# KiCad board Logic_tabor.kicad_pcb
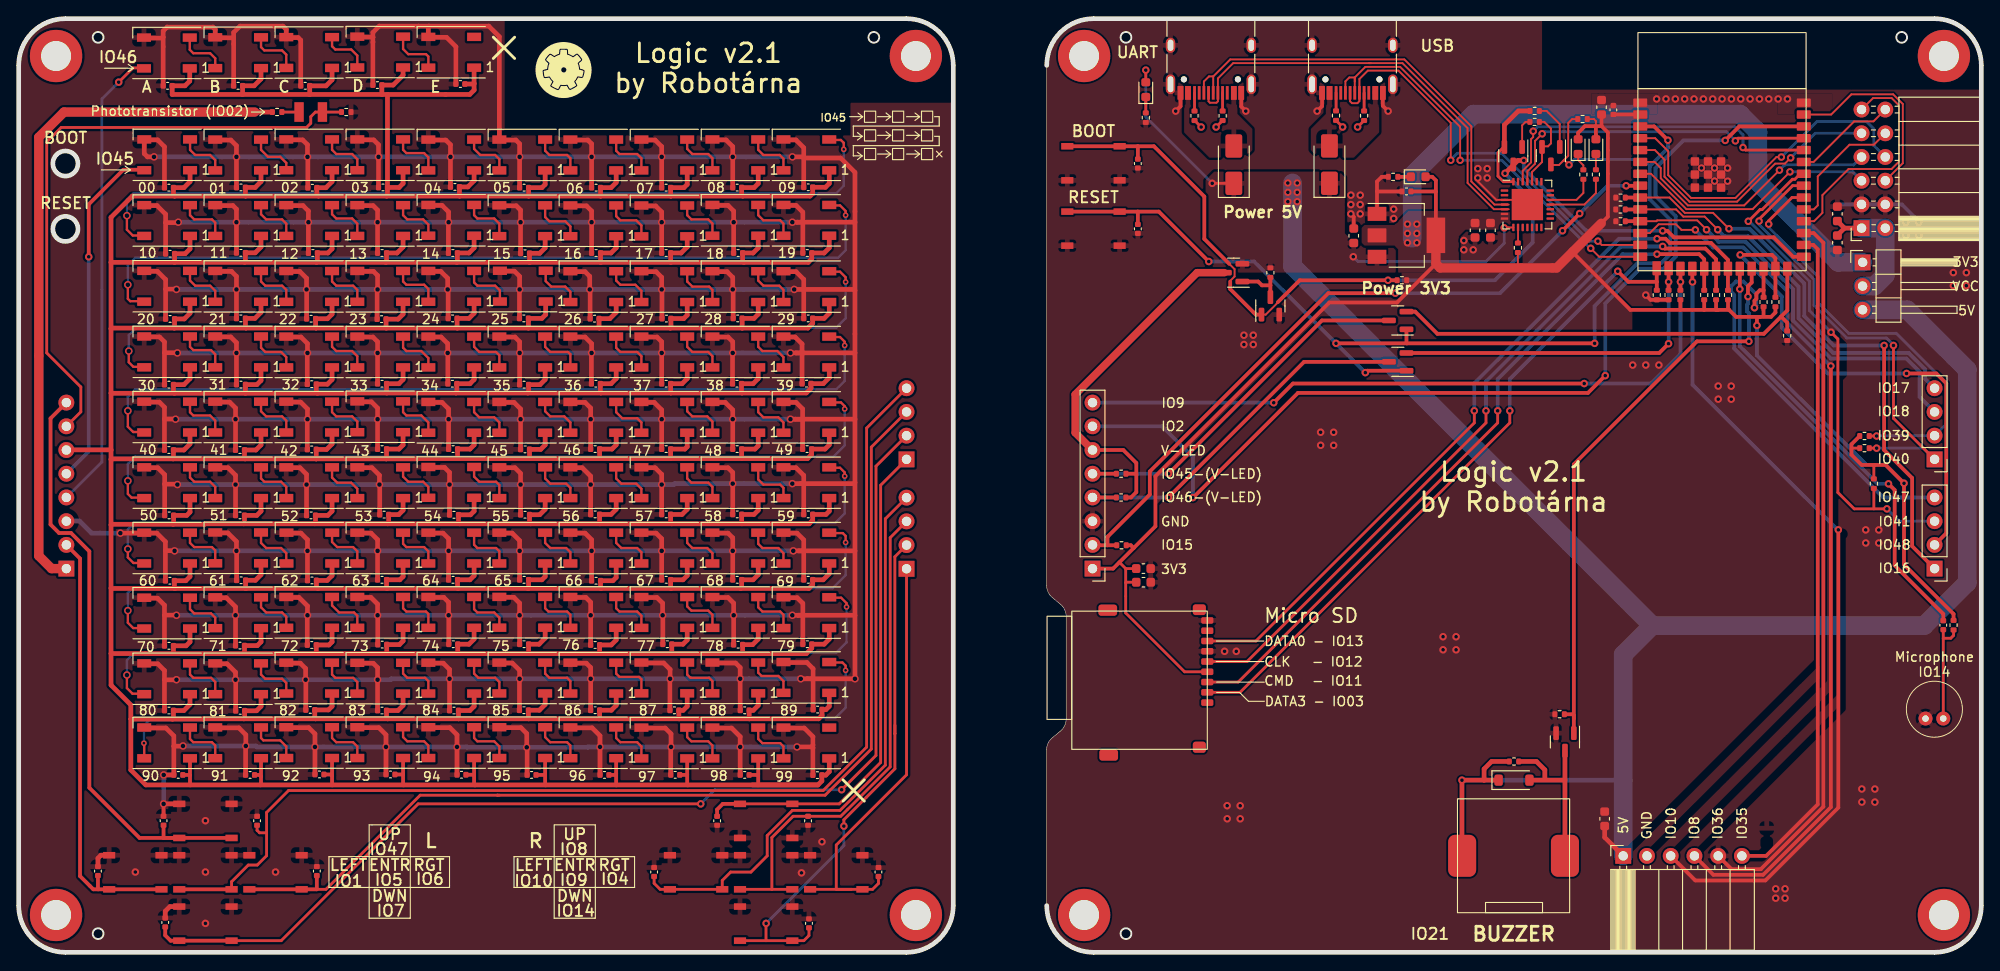
[diagram p0: board, top side]
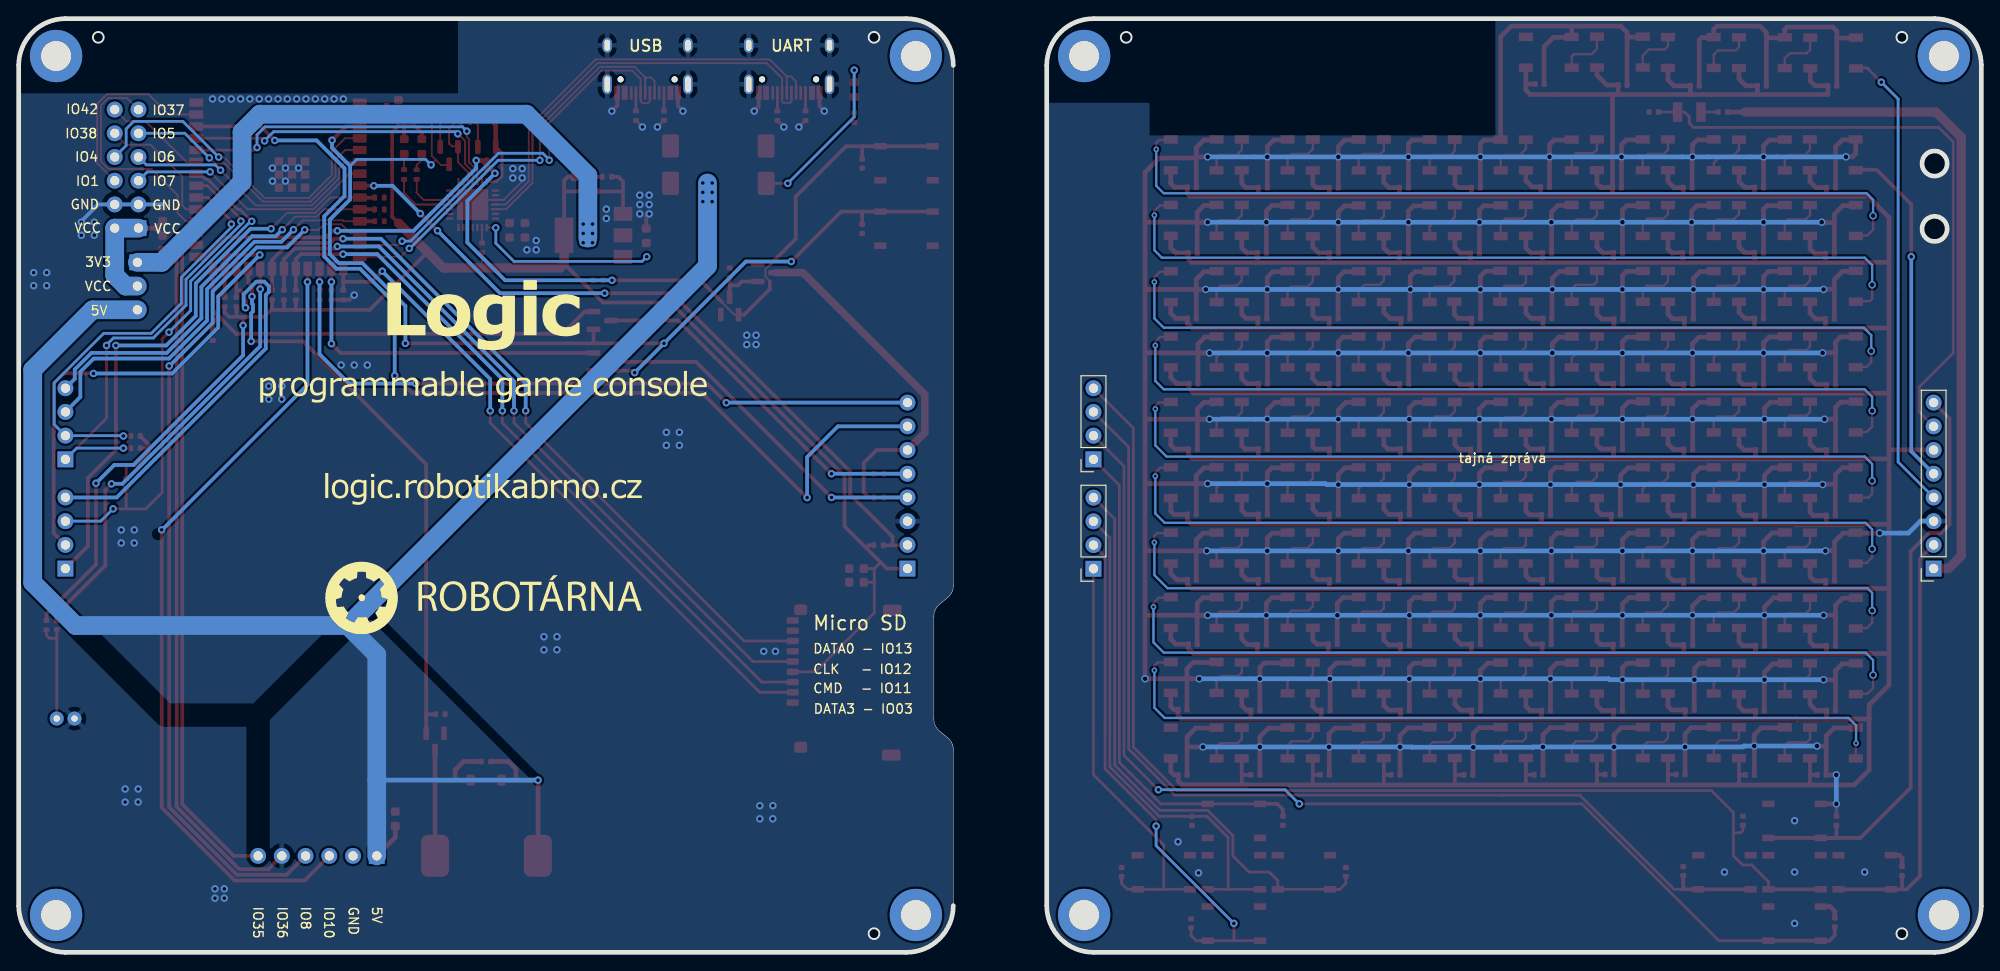
[diagram p1: board, bottom side, seen from below]

Outline 210 x 100 mm; copper layers: Top, Bottom. Coordinates in mm from the lower left corner of the outline.
Outline path: circle c5,84.48 r1.35 ; circle c5,77.48 r1.35 ; circle c8.5,98 r0.58 ; circle c8.5,2 r0.58 ; circle c91.5,98 r0.58 ; circle c118.48,98 r0.58 ; circle c118.48,2 r0.58 ; circle c201.48,98 r0.58 ; 0,95 arc(1.46,98.54) 5,100 95,100 arc(98.54,98.54) 100,95 100,5 arc(98.54,1.46) 95,0 5,0 arc(1.46,1.46) 0,5 0,95 ; 109.99,39.29 110,95 arc(111.46,98.54) 115,100 205,100 arc(208.54,98.54) 210,95 210,5 arc(208.54,1.46) 205,0 115,0 arc(111.46,1.46) 110,5 109.99,21.69 arc(110.15,22.41) 110.61,22.99 111.46,23.69 arc(111.92,24.27) 112.08,24.99 112.08,35.99 arc(111.92,36.71) 111.46,37.29 110.61,37.99 arc(110.15,38.57) 109.99,39.29
Stack: Top 0.035mm / dielectric 1.51mm FR4 er 4.5 / Bottom 0.035mm

## Placement (name value [footprint] x y rotation side)
B1  -  [Board]  84.7 100 0 top
B2  -  [Board]  129.8 100 0 top
BOOT1  button  [Tactile_switch]  115 84.48 0 top
BZ1  Buzzer  [PKLCS1212E-(RH-Logic_piezzo)]  159.95 10.34 0 top
C1  10uF  [C_0603_1608Metric]  194.6 79.1 90 top
C2  100n  [C_0402_1005Metric]  46.68 81.98 180 top
C3  100n  [C_0402_1005Metric]  54.08 81.9 180 top
C4  10uF  [C_0603_1608Metric]  169.7 14.3 90 top
C5  10uF  [C_0603_1608Metric]  194.6 76 270 top
C6  100n  [C_0402_1005Metric]  61.78 81.9 180 top
C7  100n  [C_0402_1005Metric]  15.94 92.81 180 top
C8  100n  [C_0402_1005Metric]  23.48 92.81 180 top
C9  100n  [C_0402_1005Metric]  30.66 92.81 180 top
C10  100n  [C_0402_1005Metric]  38.38 92.89 180 top
C11  10n  [C_0402_1005Metric]  25.51 14.09 270 top
C12  10n  [C_0402_1005Metric]  31.9 8.7 270 top
C13  10n  [C_0402_1005Metric]  67.99 8.6 270 top
C14  10n  [C_0402_1005Metric]  92 8.6 270 top
C15  100n  [C_0402_1005Metric]  69.28 81.9 180 top
C16  100n  [C_0402_1005Metric]  76.88 81.91 180 top
C17  10n  [C_0402_1005Metric]  15.68 3.2 270 top
C18  10n  [C_0402_1005Metric]  84.56 3.1 270 top
C19  10n  [C_0402_1005Metric]  84.46 14.09 90 top
C20  10n  [C_0402_1005Metric]  74.73 14.09 90 top
C21  100n  [C_0402_1005Metric]  84.48 81.94 180 top
C22  10uF  [C_0603_1608Metric]  120.35 39.64 0 top
C23  10uF  [C_0603_1608Metric]  120.35 41.1 0 top
C24  10uF  [C_0603_1608Metric]  157.48 77.34 90 top
C25  100n  [C_0402_1005Metric]  148.49 81.5 0 top
C26  1u  [C_0402_1005Metric]  119.75 77.48 270 top
C27  10uF  [C_0603_1608Metric]  169.37 90.51 270 top
C28  100n  [C_0402_1005Metric]  170.63 90.22 270 top
C29  1u  [C_0402_1005Metric]  119.75 84.48 270 top
C30  10n  [C_0402_1005Metric]  15.5 14.09 270 top
C31  100n  [C_0402_1005Metric]  16.08 81.9 180 top
C32  100n  [C_0402_1005Metric]  23.78 81.92 180 top
C33  100n  [C_0402_1005Metric]  31.42 81.89 180 top
C34  100n  [C_0402_1005Metric]  38.98 81.92 180 top
C35  100n  [C_0402_1005Metric]  16.2 74.82 180 top
C36  100n  [C_0402_1005Metric]  23.78 74.92 180 top
C37  100n  [C_0402_1005Metric]  31.48 74.9 180 top
C38  100n  [C_0402_1005Metric]  38.88 74.9 180 top
C39  100n  [C_0402_1005Metric]  46.46 74.9 180 top
C40  100n  [C_0402_1005Metric]  54.18 74.87 180 top
C41  100n  [C_0402_1005Metric]  61.78 74.9 180 top
C42  100n  [C_0402_1005Metric]  69.28 74.9 180 top
C43  100n  [C_0402_1005Metric]  76.98 74.9 180 top
C44  100n  [C_0402_1005Metric]  84.38 74.9 180 top
C45  100n  [C_0402_1005Metric]  16.2 67.84 180 top
C46  100n  [C_0402_1005Metric]  23.78 67.9 180 top
C47  100n  [C_0402_1005Metric]  31.29 67.86 180 top
C48  100n  [C_0402_1005Metric]  38.83 67.82 180 top
C49  100n  [C_0402_1005Metric]  46.43 67.9 180 top
C50  100n  [C_0402_1005Metric]  54.06 67.9 180 top
C51  100n  [C_0402_1005Metric]  61.62 67.87 180 top
C52  100n  [C_0402_1005Metric]  69.31 67.88 180 top
C53  100n  [C_0402_1005Metric]  76.93 67.9 180 top
C54  100n  [C_0402_1005Metric]  84.48 67.9 180 top
C55  100n  [C_0402_1005Metric]  16.08 60.8 180 top
C56  100n  [C_0402_1005Metric]  23.78 60.81 180 top
C57  100n  [C_0402_1005Metric]  31.36 60.85 180 top
C58  100n  [C_0402_1005Metric]  38.88 60.9 180 top
C59  100n  [C_0402_1005Metric]  46.4 60.9 180 top
C60  100n  [C_0402_1005Metric]  54.08 60.8 180 top
C61  100n  [C_0402_1005Metric]  61.76 60.9 180 top
C62  100n  [C_0402_1005Metric]  69.28 60.9 180 top
C63  100n  [C_0402_1005Metric]  76.86 60.9 180 top
C64  100n  [C_0402_1005Metric]  84.3 60.91 180 top
C65  100n  [C_0402_1005Metric]  16.08 53.8 180 top
C66  100n  [C_0402_1005Metric]  23.68 53.8 180 top
C67  100n  [C_0402_1005Metric]  31.36 53.86 180 top
C68  100n  [C_0402_1005Metric]  38.88 53.9 180 top
C69  100n  [C_0402_1005Metric]  46.48 53.9 180 top
C70  100n  [C_0402_1005Metric]  54.18 53.87 180 top
C71  100n  [C_0402_1005Metric]  61.68 53.9 180 top
C72  100n  [C_0402_1005Metric]  69.28 53.9 180 top
C73  100n  [C_0402_1005Metric]  76.88 53.9 180 top
C74  100n  [C_0402_1005Metric]  84.36 53.9 180 top
C75  100n  [C_0402_1005Metric]  16.1 46.8 180 top
C76  100n  [C_0402_1005Metric]  23.68 46.8 180 top
C77  100n  [C_0402_1005Metric]  31.28 46.8 180 top
C78  100n  [C_0402_1005Metric]  39.11 46.88 180 top
C79  100n  [C_0402_1005Metric]  46.58 46.86 180 top
C80  100n  [C_0402_1005Metric]  54.18 46.87 180 top
C81  100n  [C_0402_1005Metric]  61.68 46.9 180 top
C82  100n  [C_0402_1005Metric]  69.28 46.9 180 top
C83  100n  [C_0402_1005Metric]  76.88 46.9 180 top
C84  100n  [C_0402_1005Metric]  84.48 46.9 180 top
C85  100n  [C_0402_1005Metric]  16.18 39.8 180 top
C86  100n  [C_0402_1005Metric]  23.8 39.85 180 top
C87  100n  [C_0402_1005Metric]  31.38 39.83 180 top
C88  100n  [C_0402_1005Metric]  38.88 39.9 180 top
C89  100n  [C_0402_1005Metric]  46.48 39.9 180 top
C90  100n  [C_0402_1005Metric]  54.08 39.9 180 top
C91  100n  [C_0402_1005Metric]  61.78 39.8 180 top
C92  100n  [C_0402_1005Metric]  69.28 39.9 180 top
C93  100n  [C_0402_1005Metric]  76.88 39.9 180 top
C94  100n  [C_0402_1005Metric]  84.48 39.9 180 top
C95  100n  [C_0402_1005Metric]  16.08 32.83 180 top
C96  100n  [C_0402_1005Metric]  23.68 32.85 180 top
C97  100n  [C_0402_1005Metric]  31.36 32.92 180 top
C98  100n  [C_0402_1005Metric]  38.9 32.96 180 top
C99  100n  [C_0402_1005Metric]  46.5 33 180 top
C100  100n  [C_0402_1005Metric]  54.08 33 180 top
C101  100n  [C_0402_1005Metric]  61.68 32.92 180 top
C102  100n  [C_0402_1005Metric]  69.4 33 180 top
C103  100n  [C_0402_1005Metric]  76.98 32.95 180 top
C104  100n  [C_0402_1005Metric]  84.38 33 180 top
C105  100n  [C_0402_1005Metric]  16.08 25.9 180 top
C106  100n  [C_0402_1005Metric]  23.7 25.87 180 top
C107  100n  [C_0402_1005Metric]  31.2 25.96 180 top
C108  100n  [C_0402_1005Metric]  38.88 25.9 180 top
C109  100n  [C_0402_1005Metric]  46.58 25.9 180 top
C110  100n  [C_0402_1005Metric]  54.06 25.93 180 top
C111  100n  [C_0402_1005Metric]  61.68 25.93 180 top
C112  100n  [C_0402_1005Metric]  70.16 25.92 180 top
C113  100n  [C_0402_1005Metric]  77.68 25.92 180 top
C114  100n  [C_0402_1005Metric]  85.48 26 180 top
C115  100n  [C_0402_1005Metric]  17.08 19 180 top
C116  100n  [C_0402_1005Metric]  24.76 19 180 top
C117  100n  [C_0402_1005Metric]  32.18 19.05 180 top
C118  100n  [C_0402_1005Metric]  39.78 19.05 180 top
C119  100n  [C_0402_1005Metric]  47.38 19.02 180 top
C120  100n  [C_0402_1005Metric]  54.88 19 180 top
C121  100n  [C_0402_1005Metric]  62.68 19 180 top
C122  100n  [C_0402_1005Metric]  70.25 19.01 180 top
C123  100n  [C_0402_1005Metric]  77.68 19 180 top
C124  100n  [C_0402_1005Metric]  85.46 18.98 180 top
C125  100n  [C_0402_1005Metric]  47.26 93 180 top
C126  10n  [C_0402_1005Metric]  8.48 8.7 270 top
C127  10uF  [C_0603_1608Metric]  142.85 76.75 90 top
C128  10uF  [C_0603_1608Metric]  155.83 77.34 270 top
C129  1u  [C_0402_1005Metric]  205.93 35.04 270 top
D1  green  [LED_0603_1608Metric]  120.6 92.4 90 top
D2  green  [LED_0603_1608Metric]  149.75 83.06 0 top
D3  WS2812C  [LED_WS2812B_PLCC4_5.0x5.0mm_P3.2mm]  15.85 96.32 180 top
D4  WS2812C  [LED_WS2812B_PLCC4_5.0x5.0mm_P3.2mm]  23.48 96.35 180 top
D5  WS2812C  [LED_WS2812B_PLCC4_5.0x5.0mm_P3.2mm]  31.08 96.37 180 top
D6  WS2812C  [LED_WS2812B_PLCC4_5.0x5.0mm_P3.2mm]  38.68 96.42 180 top
D7  type="D" model="DIODE" lib=""  [D_SMA]  140.25 84.37 90 top
D8  type="D" model="DIODE" lib=""  [D_SMA]  130.02 84.37 90 top
D9  green  [LED_0603_1608Metric]  168.76 86.3 90 top
D10  green  [LED_0603_1608Metric]  166.86 86.3 90 top
D12  WS2812C  [LED_WS2812B_PLCC4_5.0x5.0mm_P3.2mm]  15.89 85.42 180 top
D13  WS2812C  [LED_WS2812B_PLCC4_5.0x5.0mm_P3.2mm]  23.48 85.4 180 top
D14  WS2812C  [LED_WS2812B_PLCC4_5.0x5.0mm_P3.2mm]  31.08 85.42 180 top
D15  WS2812C  [LED_WS2812B_PLCC4_5.0x5.0mm_P3.2mm]  38.68 85.42 180 top
D16  WS2812C  [LED_WS2812B_PLCC4_5.0x5.0mm_P3.2mm]  46.28 85.4 180 top
D17  WS2812C  [LED_WS2812B_PLCC4_5.0x5.0mm_P3.2mm]  53.88 85.4 180 top
D18  WS2812C  [LED_WS2812B_PLCC4_5.0x5.0mm_P3.2mm]  61.48 85.4 180 top
D19  WS2812C  [LED_WS2812B_PLCC4_5.0x5.0mm_P3.2mm]  69.08 85.4 180 top
D20  WS2812C  [LED_WS2812B_PLCC4_5.0x5.0mm_P3.2mm]  76.68 85.41 180 top
D21  WS2812C  [LED_WS2812B_PLCC4_5.0x5.0mm_P3.2mm]  84.28 85.41 180 top
D22  WS2812C  [LED_WS2812B_PLCC4_5.0x5.0mm_P3.2mm]  15.88 78.38 180 top
D23  WS2812C  [LED_WS2812B_PLCC4_5.0x5.0mm_P3.2mm]  23.48 78.38 180 top
D24  WS2812C  [LED_WS2812B_PLCC4_5.0x5.0mm_P3.2mm]  31.08 78.38 180 top
D25  WS2812C  [LED_WS2812B_PLCC4_5.0x5.0mm_P3.2mm]  38.68 78.38 180 top
D26  WS2812C  [LED_WS2812B_PLCC4_5.0x5.0mm_P3.2mm]  46.28 78.4 180 top
D27  WS2812C  [LED_WS2812B_PLCC4_5.0x5.0mm_P3.2mm]  53.88 78.36 180 top
D28  WS2812C  [LED_WS2812B_PLCC4_5.0x5.0mm_P3.2mm]  61.48 78.35 180 top
D29  WS2812C  [LED_WS2812B_PLCC4_5.0x5.0mm_P3.2mm]  69.08 78.34 180 top
D30  WS2812C  [LED_WS2812B_PLCC4_5.0x5.0mm_P3.2mm]  76.68 78.4 180 top
D31  WS2812C  [LED_WS2812B_PLCC4_5.0x5.0mm_P3.2mm]  84.28 78.4 180 top
D32  WS2812C  [LED_WS2812B_PLCC4_5.0x5.0mm_P3.2mm]  15.88 71.34 180 top
D33  WS2812C  [LED_WS2812B_PLCC4_5.0x5.0mm_P3.2mm]  23.48 71.33 180 top
D34  WS2812C  [LED_WS2812B_PLCC4_5.0x5.0mm_P3.2mm]  31.08 71.32 180 top
D35  WS2812C  [LED_WS2812B_PLCC4_5.0x5.0mm_P3.2mm]  38.68 71.33 180 top
D36  WS2812C  [LED_WS2812B_PLCC4_5.0x5.0mm_P3.2mm]  46.28 71.33 180 top
D37  WS2812C  [LED_WS2812B_PLCC4_5.0x5.0mm_P3.2mm]  53.94 71.35 180 top
D38  WS2812C  [LED_WS2812B_PLCC4_5.0x5.0mm_P3.2mm]  61.48 71.3 180 top
D39  WS2812C  [LED_WS2812B_PLCC4_5.0x5.0mm_P3.2mm]  69.08 71.3 180 top
D40  WS2812C  [LED_WS2812B_PLCC4_5.0x5.0mm_P3.2mm]  76.68 71.3 180 top
D41  WS2812C  [LED_WS2812B_PLCC4_5.0x5.0mm_P3.2mm]  84.28 71.3 180 top
D42  WS2812C  [LED_WS2812B_PLCC4_5.0x5.0mm_P3.2mm]  15.88 64.31 180 top
D43  WS2812C  [LED_WS2812B_PLCC4_5.0x5.0mm_P3.2mm]  23.48 64.31 180 top
D44  WS2812C  [LED_WS2812B_PLCC4_5.0x5.0mm_P3.2mm]  31.08 64.3 180 top
D45  WS2812C  [LED_WS2812B_PLCC4_5.0x5.0mm_P3.2mm]  38.68 64.3 180 top
D46  WS2812C  [LED_WS2812B_PLCC4_5.0x5.0mm_P3.2mm]  46.28 64.3 180 top
D47  WS2812C  [LED_WS2812B_PLCC4_5.0x5.0mm_P3.2mm]  53.88 64.3 180 top
D48  WS2812C  [LED_WS2812B_PLCC4_5.0x5.0mm_P3.2mm]  61.48 64.3 180 top
D49  WS2812C  [LED_WS2812B_PLCC4_5.0x5.0mm_P3.2mm]  69.08 64.3 180 top
D50  WS2812C  [LED_WS2812B_PLCC4_5.0x5.0mm_P3.2mm]  76.68 64.3 180 top
D51  WS2812C  [LED_WS2812B_PLCC4_5.0x5.0mm_P3.2mm]  84.28 64.3 180 top
D52  WS2812C  [LED_WS2812B_PLCC4_5.0x5.0mm_P3.2mm]  15.88 57.33 180 top
D53  WS2812C  [LED_WS2812B_PLCC4_5.0x5.0mm_P3.2mm]  23.48 57.33 180 top
D54  WS2812C  [LED_WS2812B_PLCC4_5.0x5.0mm_P3.2mm]  31.08 57.33 180 top
D55  WS2812C  [LED_WS2812B_PLCC4_5.0x5.0mm_P3.2mm]  38.68 57.36 180 top
D56  WS2812C  [LED_WS2812B_PLCC4_5.0x5.0mm_P3.2mm]  46.28 57.3 180 top
D57  WS2812C  [LED_WS2812B_PLCC4_5.0x5.0mm_P3.2mm]  53.88 57.3 180 top
D58  WS2812C  [LED_WS2812B_PLCC4_5.0x5.0mm_P3.2mm]  61.48 57.3 180 top
D59  WS2812C  [LED_WS2812B_PLCC4_5.0x5.0mm_P3.2mm]  69.08 57.3 180 top
D60  WS2812C  [LED_WS2812B_PLCC4_5.0x5.0mm_P3.2mm]  76.68 57.3 180 top
D61  WS2812C  [LED_WS2812B_PLCC4_5.0x5.0mm_P3.2mm]  84.28 57.3 180 top
D62  WS2812C  [LED_WS2812B_PLCC4_5.0x5.0mm_P3.2mm]  15.88 50.3 180 top
D63  WS2812C  [LED_WS2812B_PLCC4_5.0x5.0mm_P3.2mm]  23.48 50.3 180 top
D64  WS2812C  [LED_WS2812B_PLCC4_5.0x5.0mm_P3.2mm]  31.08 50.3 180 top
D65  WS2812C  [LED_WS2812B_PLCC4_5.0x5.0mm_P3.2mm]  38.68 50.3 180 top
D66  WS2812C  [LED_WS2812B_PLCC4_5.0x5.0mm_P3.2mm]  46.28 50.33 180 top
D67  WS2812C  [LED_WS2812B_PLCC4_5.0x5.0mm_P3.2mm]  53.88 50.3 180 top
D68  WS2812C  [LED_WS2812B_PLCC4_5.0x5.0mm_P3.2mm]  61.48 50.3 180 top
D69  WS2812C  [LED_WS2812B_PLCC4_5.0x5.0mm_P3.2mm]  69.08 50.3 180 top
D70  WS2812C  [LED_WS2812B_PLCC4_5.0x5.0mm_P3.2mm]  76.68 50.3 180 top
D71  WS2812C  [LED_WS2812B_PLCC4_5.0x5.0mm_P3.2mm]  84.28 50.3 180 top
D72  WS2812C  [LED_WS2812B_PLCC4_5.0x5.0mm_P3.2mm]  15.88 43.3 180 top
D73  WS2812C  [LED_WS2812B_PLCC4_5.0x5.0mm_P3.2mm]  23.48 43.32 180 top
D74  WS2812C  [LED_WS2812B_PLCC4_5.0x5.0mm_P3.2mm]  31.1 43.3 180 top
D75  WS2812C  [LED_WS2812B_PLCC4_5.0x5.0mm_P3.2mm]  38.68 43.3 180 top
D76  WS2812C  [LED_WS2812B_PLCC4_5.0x5.0mm_P3.2mm]  46.28 43.3 180 top
D77  WS2812C  [LED_WS2812B_PLCC4_5.0x5.0mm_P3.2mm]  53.88 43.3 180 top
D78  WS2812C  [LED_WS2812B_PLCC4_5.0x5.0mm_P3.2mm]  61.48 43.3 180 top
D79  WS2812C  [LED_WS2812B_PLCC4_5.0x5.0mm_P3.2mm]  69.08 43.3 180 top
D80  WS2812C  [LED_WS2812B_PLCC4_5.0x5.0mm_P3.2mm]  76.68 43.3 180 top
D81  WS2812C  [LED_WS2812B_PLCC4_5.0x5.0mm_P3.2mm]  84.28 43.3 180 top
D82  WS2812C  [LED_WS2812B_PLCC4_5.0x5.0mm_P3.2mm]  15.88 36.33 180 top
D83  WS2812C  [LED_WS2812B_PLCC4_5.0x5.0mm_P3.2mm]  23.48 36.37 180 top
D84  WS2812C  [LED_WS2812B_PLCC4_5.0x5.0mm_P3.2mm]  31.08 36.41 180 top
D85  WS2812C  [LED_WS2812B_PLCC4_5.0x5.0mm_P3.2mm]  38.68 36.41 180 top
D86  WS2812C  [LED_WS2812B_PLCC4_5.0x5.0mm_P3.2mm]  46.28 36.41 180 top
D87  WS2812C  [LED_WS2812B_PLCC4_5.0x5.0mm_P3.2mm]  53.88 36.42 180 top
D88  WS2812C  [LED_WS2812B_PLCC4_5.0x5.0mm_P3.2mm]  61.48 36.41 180 top
D89  WS2812C  [LED_WS2812B_PLCC4_5.0x5.0mm_P3.2mm]  69.08 36.4 180 top
D90  WS2812C  [LED_WS2812B_PLCC4_5.0x5.0mm_P3.2mm]  76.68 36.4 180 top
D91  WS2812C  [LED_WS2812B_PLCC4_5.0x5.0mm_P3.2mm]  84.28 36.38 180 top
D93  WS2812C  [LED_WS2812B_PLCC4_5.0x5.0mm_P3.2mm]  15.88 29.3 180 top
D94  WS2812C  [LED_WS2812B_PLCC4_5.0x5.0mm_P3.2mm]  23.48 29.3 180 top
D95  WS2812C  [LED_WS2812B_PLCC4_5.0x5.0mm_P3.2mm]  31.08 29.37 180 top
D96  WS2812C  [LED_WS2812B_PLCC4_5.0x5.0mm_P3.2mm]  38.68 29.36 180 top
D97  WS2812C  [LED_WS2812B_PLCC4_5.0x5.0mm_P3.2mm]  46.28 29.37 180 top
D98  WS2812C  [LED_WS2812B_PLCC4_5.0x5.0mm_P3.2mm]  53.88 29.38 180 top
D99  WS2812C  [LED_WS2812B_PLCC4_5.0x5.0mm_P3.2mm]  61.48 29.37 180 top
D100  WS2812C  [LED_WS2812B_PLCC4_5.0x5.0mm_P3.2mm]  69.08 29.39 180 top
D101  WS2812C  [LED_WS2812B_PLCC4_5.0x5.0mm_P3.2mm]  76.68 29.39 180 top
D102  WS2812C  [LED_WS2812B_PLCC4_5.0x5.0mm_P3.2mm]  84.28 29.44 180 top
D103  WS2812C  [LED_WS2812B_PLCC4_5.0x5.0mm_P3.2mm]  15.88 22.43 180 top
D104  WS2812C  [LED_WS2812B_PLCC4_5.0x5.0mm_P3.2mm]  23.48 22.44 180 top
D105  WS2812C  [LED_WS2812B_PLCC4_5.0x5.0mm_P3.2mm]  31.08 22.46 180 top
D106  WS2812C  [LED_WS2812B_PLCC4_5.0x5.0mm_P3.2mm]  38.68 22.46 180 top
D107  WS2812C  [LED_WS2812B_PLCC4_5.0x5.0mm_P3.2mm]  46.28 22.46 180 top
D108  WS2812C  [LED_WS2812B_PLCC4_5.0x5.0mm_P3.2mm]  53.88 22.46 180 top
D109  WS2812C  [LED_WS2812B_PLCC4_5.0x5.0mm_P3.2mm]  61.48 22.44 180 top
D110  WS2812C  [LED_WS2812B_PLCC4_5.0x5.0mm_P3.2mm]  69.08 22.42 180 top
D111  WS2812C  [LED_WS2812B_PLCC4_5.0x5.0mm_P3.2mm]  76.68 22.42 180 top
D112  WS2812C  [LED_WS2812B_PLCC4_5.0x5.0mm_P3.2mm]  84.28 22.42 180 top
D113  WS2812C  [LED_WS2812B_PLCC4_5.0x5.0mm_P3.2mm]  46.28 96.4 180 top
D114  D_Schottky  [D_SOD-123]  160 18.44 0 top
DRA1  Logo_Robotarna  [RobotarnaLogo-6mm]  58.3 94.5 0 top
H1  MountingHole  [MountingHole_3.2mm_M3_DIN965_Pad]  114 96 0 top
H2  MountingHole  [MountingHole_3.2mm_M3_DIN965_Pad]  206 96 0 top
H3  MountingHole  [MountingHole_3.2mm_M3_DIN965_Pad]  114 4 0 top
H4  MountingHole  [MountingHole_3.2mm_M3_DIN965_Pad]  206 4 0 top
H5  MountingHole  [MountingHole_3.2mm_M3_DIN965_Pad]  4 96 0 top
H6  MountingHole  [MountingHole_3.2mm_M3_DIN965_Pad]  96 96 0 top
H7  MountingHole  [MountingHole_3.2mm_M3_DIN965_Pad]  4 4 0 top
H8  MountingHole  [MountingHole_3.2mm_M3_DIN965_Pad]  96 4 0 top
J1  Conn_02x06_Counter_Clockwise  [PinSocket_2x06_P2.54mm_Horizontal]  197.19 77.56 180 top
J2  Micro_SD_Card  [TF-01A]  119.93 29.15 270 top
J3  Conn_01x06  [PinSocket_1x06_P2.54mm_Horizontal]  171.69 10.33 90 top
J4  Conn_01x08  [PinSocket_1x08_P2.54mm_Vertical]  5.1 41.1 0 bottom
J5  Conn_01x04  [PinSocket_1x04_P2.54mm_Vertical]  95 41.08 0 bottom
J6  Conn_01x04  [PinSocket_1x04_P2.54mm_Vertical]  95 52.8 0 bottom
J7  Conn_01x08  [PinHeader_1x08_P2.54mm_Vertical]  114.9 41.1 180 top
J8  USB_C_Receptacle_USB2.0  [USB_C_Receptacle_HRO_TYPE-C-31-M-12]  142.71 96.1 180 top
J9  Conn_01x04  [PinHeader_1x04_P2.54mm_Vertical]  205 41.1 180 top
J10  Conn_01x04  [PinHeader_1x04_P2.54mm_Vertical]  205 52.8 180 top
J11  USB_C_Receptacle_USB2.0  [USB_C_Receptacle_HRO_TYPE-C-31-M-12]  127.56 96.1 180 top
J13  Conn_01x03  [PinHeader_1x03_P2.54mm_Horizontal]  197.3 73.9 0 top
MK1  Microphone  [MIC-TH]  204.98 26.04 180 top
Q1  Q_NPN_BEC  [SOT-23]  159.92 85.32 270 top
Q2  Q_NPN_BEC  [SOT-23]  163.94 85.33 270 top
Q3  Q_Photo_NPN  [SMD,3.5x2.8x1.9mm]  31.25 90 0 top
Q4  Q_NMOS_GSD  [SOT-23]  133.93 69.24 90 top
Q5  Q_PMOS_GSD  [SOT-23]  130 72.8 180 top
Q6  Q_NMOS_GSD  [SOT-23]  165.45 22.54 270 top
Q7  Q_NMOS_GSD  [SOT-23]  147.56 63.25 180 top
Q8  Q_NMOS_GSD  [SOT-23]  147.56 67.67 180 top
R1  10k  [R_0402_1005Metric]  118 43.6 180 top
R2  10k  [R_0402_1005Metric]  120.6 89.4 90 top
R3  10k  [R_0402_1005Metric]  147.06 83.06 0 top
R4  10k  [R_0402_1005Metric]  171.4 80.83 0 top
R5  22k  [R_0402_1005Metric]  27.65 90 0 top
R6  10k  [R_0402_1005Metric]  171.4 79.56 0 top
R7  10k  [R_0402_1005Metric]  171.4 78.3 0 top
R8  10k  [R_0402_1005Metric]  197.5 55.3 0 top
R9  10k  [R_0402_1005Metric]  197.5 54 0 top
R10  10k  [R_0402_1005Metric]  177.8 70.4 90 top
R11  10k  [R_0402_1005Metric]  117.96 48.72 180 top
R12  10k  [R_0402_1005Metric]  198.5 50.2 270 top
R13  10k  [R_0402_1005Metric]  35.05 90 0 top
R14  10k  [R_0402_1005Metric]  187.97 69.65 90 top
R15  100k  [R_0402_1005Metric]  133.93 72.8 270 top
R16  5k1  [R_0402_1005Metric]  143.96 89.6 90 top
R17  5k1  [R_0402_1005Metric]  140.96 89.62 90 top
R18  10k  [R_0402_1005Metric]  117.97 51.26 180 top
R19  100k  [R_0402_1005Metric]  164.88 25.5 0 top
R20  5k1  [R_0402_1005Metric]  128.82 89.6 90 top
R21  5k1  [R_0402_1005Metric]  125.81 89.6 90 top
R22  10k  [R_0402_1005Metric]  160.41 75.46 90 top
R23  10k  [R_0402_1005Metric]  167.42 83.31 270 top
R24  10k  [R_0402_1005Metric]  168.76 83.31 270 top
R25  10k  [R_0402_1005Metric]  162.21 88.94 0 top
R26  10k  [R_0402_1005Metric]  162.21 90.12 180 top
R27  10k  [R_0402_1005Metric]  176.53 70.4 270 top
R28  10k  [R_0402_1005Metric]  148 71.98 180 top
R29  10k  [R_0402_1005Metric]  189.23 66.04 270 top
R30  10k  [R_0402_1005Metric]  175.28 70.4 270 top
R31  10k  [R_0402_1005Metric]  167.33 89.25 180 top
R32  10k  [R_0402_1005Metric]  186.7 69.65 90 top
R33  10k  [R_0402_1005Metric]  160 20.44 180 top
R34  10k  [R_0402_1005Metric]  182.9 70.4 90 top
R35  10k  [R_0402_1005Metric]  181.62 70.4 90 top
R36  10k  [R_0402_1005Metric]  180.35 70.4 90 top
R37  2k2  [R_0402_1005Metric]  207.03 35.04 90 top
RESET1  button  [Tactile_switch]  115 77.48 0 top
SW2  button  [Tactile_switch]  19.98 8.6 180 top
SW3  button  [Tactile_switch]  27.48 8.6 180 top
SW4  button  [Tactile_switch]  72.48 8.6 180 top
SW5  button  [Tactile_switch]  87.48 8.6 180 top
SW7  button  [Tactile_switch]  12.48 8.6 180 top
SW8  button  [Tactile_switch]  19.98 3.1 180 top
SW9  button  [Tactile_switch]  79.98 3.1 180 top
SW10  button  [Tactile_switch]  79.98 8.6 180 top
SW11  button  [Tactile_switch]  79.98 14.05 0 top
SW12  button  [Tactile_switch]  19.98 14.1 180 top
U1  AMS1117-3.3  [SOT-223-3_TabPin2]  148.49 76.8 0 top
U2  CP2102N-A01-GQFN28  [QFN-28-1EP_5x5mm_P0.5mm_EP3.35x3.35mm]  161.43 80.09 0 top
U3  -  [ESP32-S3-WROOM]  182.25 91 0 top

## Library data of the parts
B1 B2 = -: Description: KiKit Board annotations
BOOT1 RESET1 SW2-SW5 SW7-SW12 = -: Description: Push button switch, generic, two pins; JLCPCB_CORRECTION: 0;0;0; LCSC: C318887
BZ1 = -: Description: Buzzer, polarized; LCSC: C113159
C1 C4 C5 = -: Description: Unpolarized capacitor; Basic/Extended: B; LCSC: C96446
C2 C3 C6-C10 C15 C16 C21 C25 C28 C31-C125 = -: Description: Unpolarized capacitor; JLCPCB_CORRECTION: 0;0;0; LCSC: C1525
C11-C14 C17-C20 C30 C126 = -: Description: Unpolarized capacitor; JLCPCB_CORRECTION: 0;0;0; LCSC: C15195
C22-C24 C27 C127 C128 = -: Description: Unpolarized capacitor; JLCPCB_CORRECTION: 0;0;0; LCSC: C96446
C26 C29 C129 = -: Description: Unpolarized capacitor; JLCPCB_CORRECTION: 0;0;0; LCSC: C52923
D1 D2 D9 D10 = -: Description: Light emitting diode; JLCPCB_CORRECTION: 0;0;0; LCSC: C72043
D3-D6 D12-D91 D93-D113 = -: Description: RGB LED with integrated controller; JLCPCB_CORRECTION: 0;0;270; LCSC: C2761796
D7 D8 = -: Description: Diode; JLCPCB_CORRECTION: 0;0;0; LCSC: C8678; Sim.Device: SPICE; Sim.Pins: 1=1 2=2
D114 = -: Description: Schottky diode; JLCPCB_CORRECTION: 0;0;0; LCSC: C8598
DRA1 = -: Description: DIN Rail adapter universal, mounting holes without connection; JLCPCB_CORRECTION: 0;0;0; LCSC: -
H1-H8 = -: Description: Mounting Hole without connection; JLCPCB_CORRECTION: 0;0;0; LCSC: -
J1 = -: Description: Generic connector, double row, 02x06, odd/even pin numbering scheme (row 1 odd numbers, row 2 even numbers), script generated (kicad-library-utils/schlib/autogen/connector/); JLCPCB_CORRECTION: -1.27;6.35;270; LCSC: C2897426
J2 = -: Description: Micro SD Card Socket; JLCPCB_CORRECTION: 0;-2;0; LCSC: C91145
J3 = -: Description: Generic connector, single row, 01x06, script generated (kicad-library-utils/schlib/autogen/connector/); JLCPCB_IGNORE: 1
J4 = -: Description: Generic connector, single row, 01x08, script generated (kicad-library-utils/schlib/autogen/connector/); JLCPCB_CORRECTION: 0;-8.89;90; LCSC: C124416
J5 J6 = -: Description: Generic connector, single row, 01x04, script generated (kicad-library-utils/schlib/autogen/connector/); JLCPCB_CORRECTION: 0;-3.81;90; LCSC: C124413
J7 = -: Description: Generic connector, single row, 01x08, script generated (kicad-library-utils/schlib/autogen/connector/); JLCPCB_CORRECTION: 0;8.89;90; LCSC: C124381
J8 J11 = -: Description: USB 2.0-only Type-C Receptacle connector; JLCPCB_CORRECTION: 0;-1;0; LCSC: C165948
J9 J10 = -: Description: Generic connector, single row, 01x04, script generated (kicad-library-utils/schlib/autogen/connector/); JLCPCB_CORRECTION: 0;3.81;90; LCSC: C124378
J13 = -: Description: Generic connector, single row, 01x03, script generated (kicad-library-utils/schlib/autogen/connector/); JLCPCB_CORRECTION: 0;2.54;270; LCSC: C2935928
MK1 = -: LCSC: C5160215
Q1 Q2 = -: Description: NPN transistor, base/emitter/collector; JLCPCB_CORRECTION: 0;0;180; LCSC: C20526
Q3 = -: Description: NPN phototransistor, collector/emitter; JLCPCB_CORRECTION: 0;0;180; LCSC: C250859